# Altium PCB JTAG-批量下载V06.PcbDoc (part 10 of 13)
Units mil, origin at the board's own origin, x right, y up, seen from the top; angles counter-clockwise.
Board outline 6380 x 5290 mil, 2 copper layers (Top Layer, Bottom Layer); 190 components, 238 nets, 1050 pads, 459 vias.
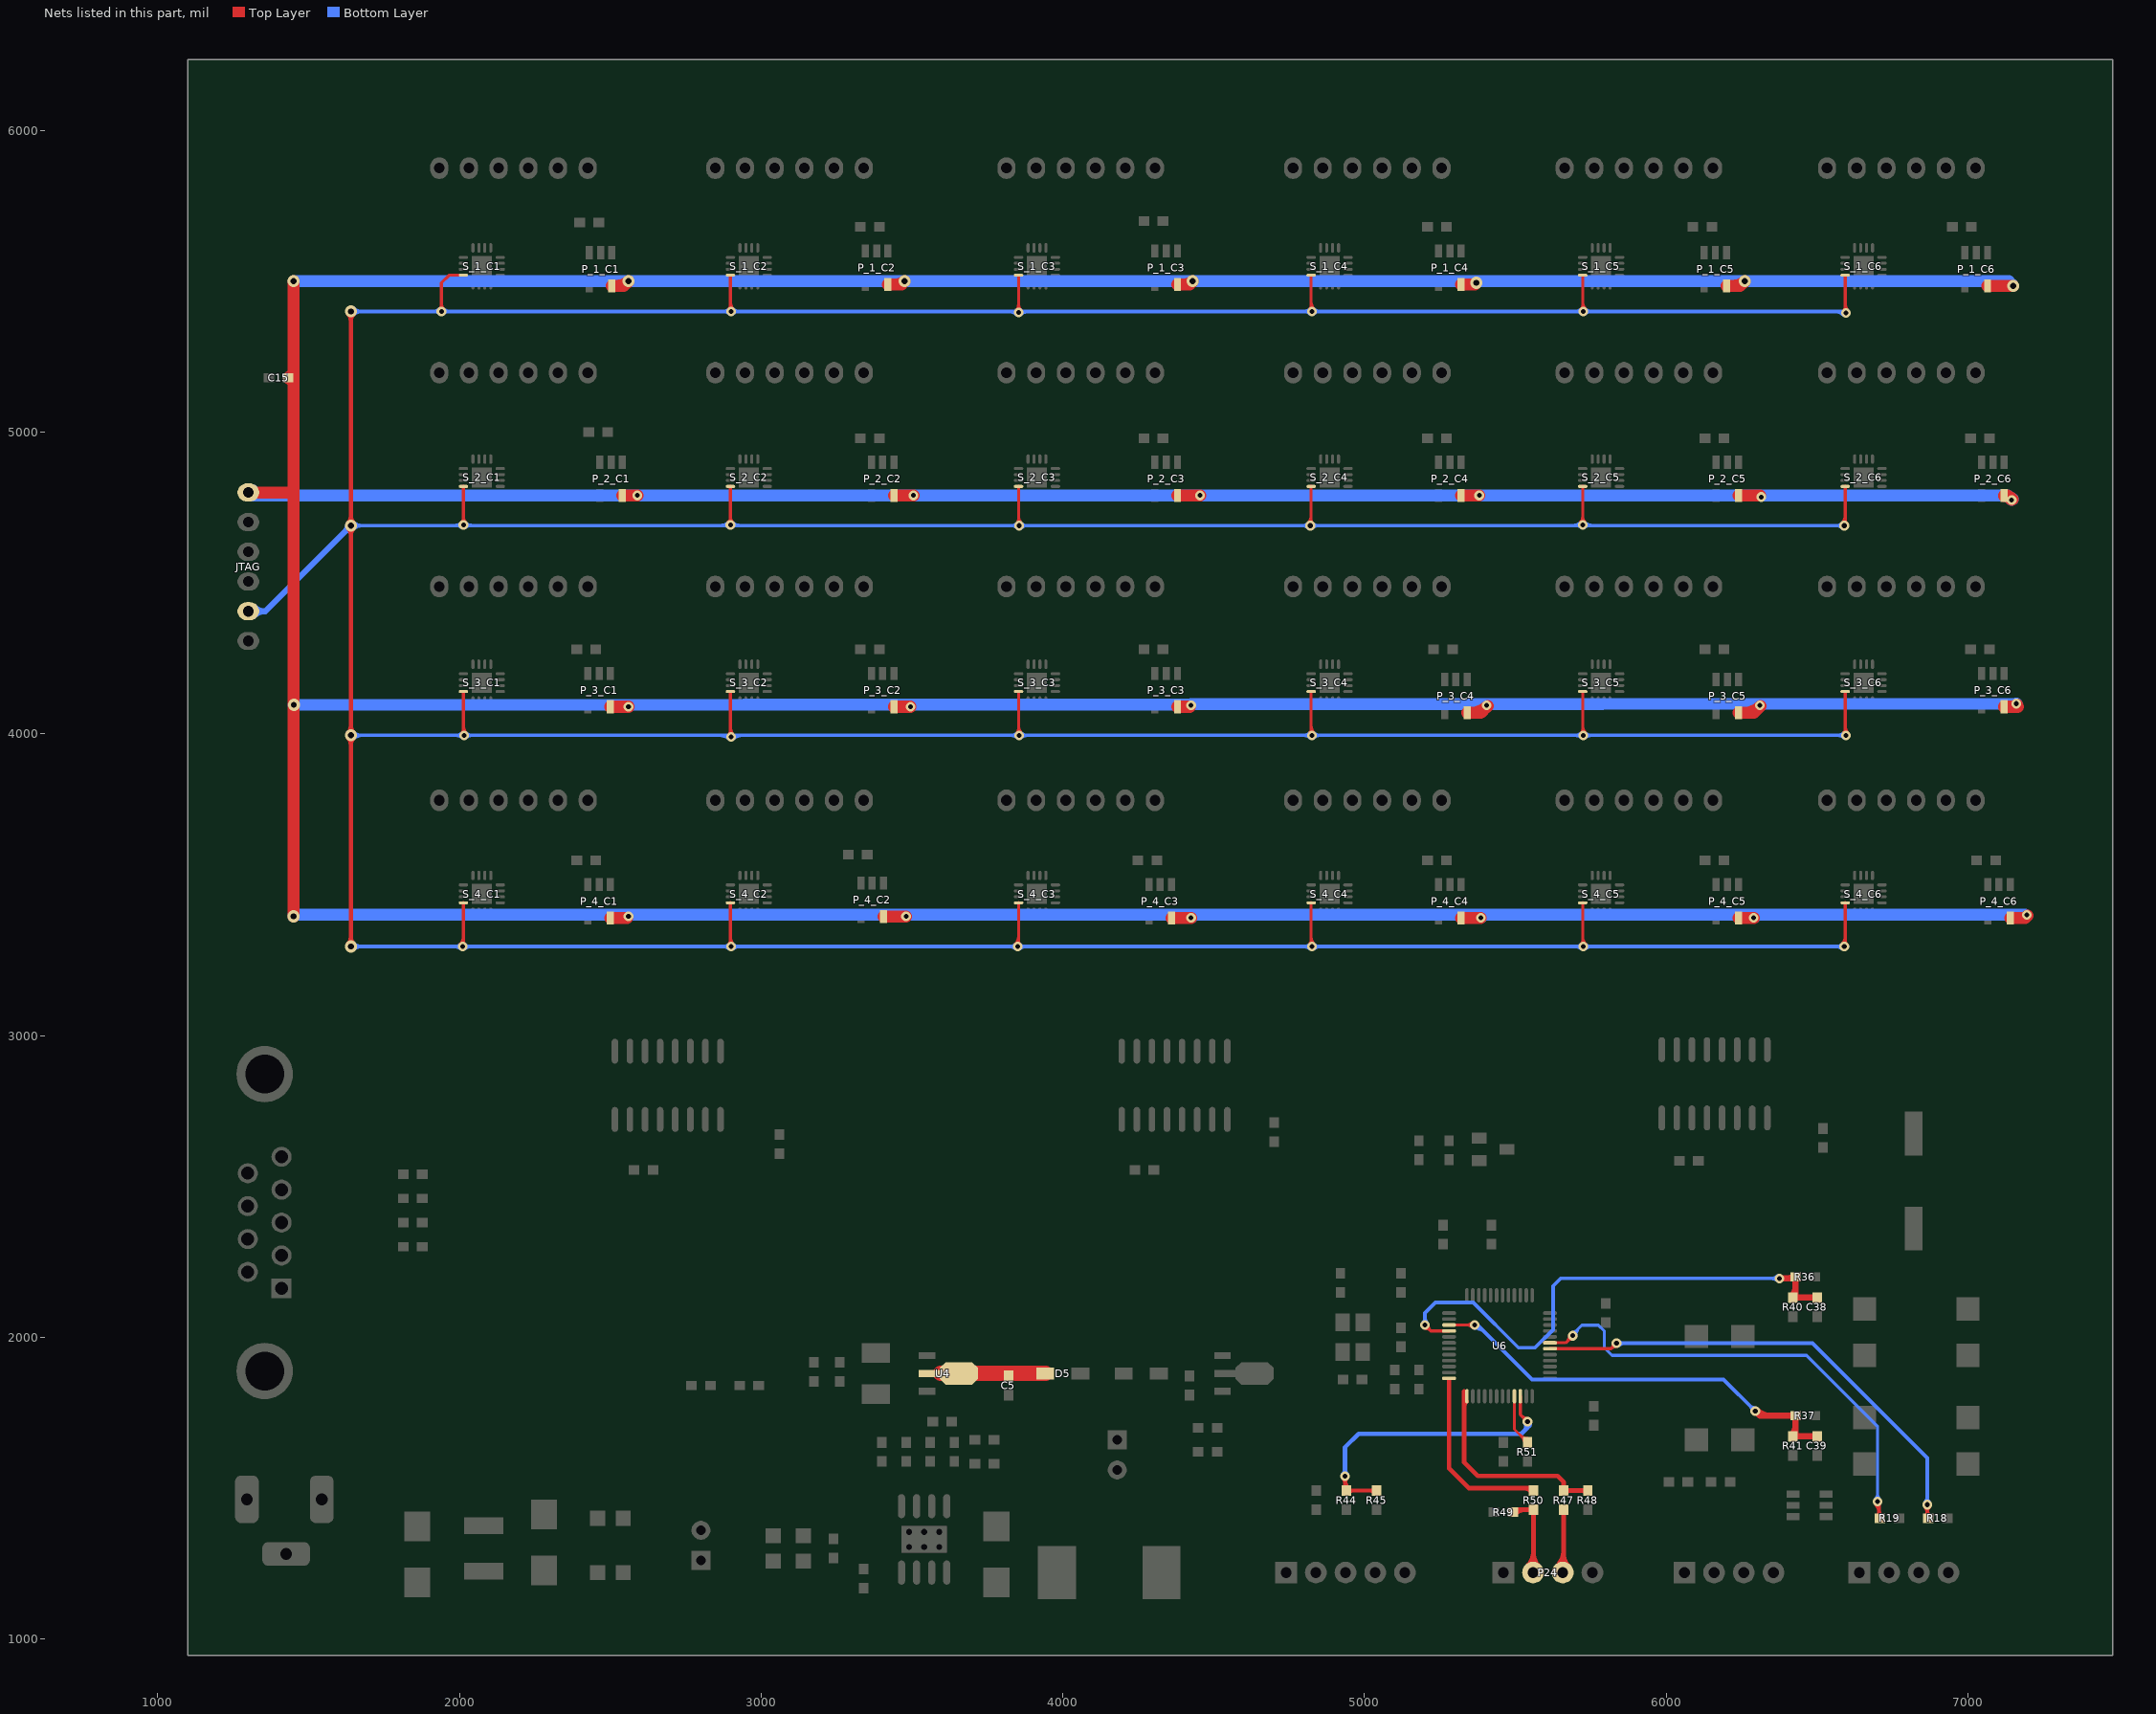
[diagram p10: the nets of this part, all layers, seen from the top]

## Via types
v1: diameter 32, hole 16, Top Layer to Bottom Layer, 347 vias
v2: diameter 50, hole 28, Top Layer to Bottom Layer, 63 vias
v3: diameter 40, hole 20, Top Layer to Bottom Layer, 49 vias

## Nets (pads, with @x,y where several pads share a name; then routed paths per layer and width w, separated by ;. In a path a pad name is that pad's centre, name@x,y a point inside that pad or via, vN(x,y) a via of type N, cw(c..) or ccw(c..) an arc to the next point about the centre after c; other vN are vias at no path point) (continued)
JTAG_TMS: JTAG.5 S_1_C1.12 S_1_C2.12 S_1_C3.12 S_1_C4.12 S_1_C5.12 S_1_C6.12 S_2_C1.12 S_2_C2.12 S_2_C3.12 S_2_C4.12 S_2_C5.12 S_2_C6.12 S_3_C1.12 S_3_C2.12 S_3_C3.12 S_3_C4.12 S_3_C5.12 S_3_C6.12 S_4_C1.12 S_4_C2.12 S_4_C3.12 S_4_C4.12 S_4_C5.12 S_4_C6.12 | length 34994.6
  Top Layer w10: v1(1940,5400) 1940,5495 1965,5520 S_1_C1.12@2012.95,5520 ; v1@2012.95,3297.95 S_4_C1.12@2012.95,3440 ; v1@2012.95,3997.05 S_3_C1.12@2012.95,4140 ; v1(2012.95,4692.05) S_2_C1.12@2012.95,4820 ; v1@2897.95,3297.05 S_4_C2.12@2897.95,3440 ; v1@2897.95,3992.05 S_3_C2.12@2897.95,4140 ; v1(2897.95,4692.95) S_2_C2.12@2897.95,4820 ; v1@2897.95,5402.05 S_1_C2.12@2897.95,5520 ; v1@3852.95,3297.95 S_4_C3.12@3852.95,3440 ; v1@3852.95,3997.95 S_3_C3.12@3852.95,4140 ; v1@3852.95,4692.05 S_2_C3.12@3852.95,4820 ; v1(3852.95,5397.05) S_1_C3.12@3852.95,5520 ; v1@4822.95,3297.05 S_4_C4.12@4822.95,3440 ; v1@4822.95,3997.05 S_3_C4.12@4822.95,4140 ; v1@4822.95,4692.95 S_2_C4.12@4822.95,4820 ; v1@4822.95,5402.05 S_1_C4.12@4822.95,5520 ; v1@5722.95,3297.05 S_4_C5.12@5722.95,3440 ; v1@5722.95,3992.95 S_3_C5.12@5722.95,4140 ; v1(5722.95,4692.95) S_2_C5.12@5722.95,4820 ; v1@5722.95,5402.05 S_1_C5.12@5722.95,5520 ; v1@6592.95,3297.95 S_4_C6.12@6592.95,3440 ; v1@6592.95,3997.95 S_3_C6.12@6592.95,4140 ; v1@6592.95,4692.95 S_2_C6.12@6592.95,4820 ; v1@6592.95,5402.05 S_1_C6.12@6592.95,5520 ; v1@1932.22,5407.78 ccw(c1913.44,5426.56) 1940,5426.56 ; v1@1932.22,5407.78 ccw(c1913.44,5426.56) 1940,5426.56 ; v1@1932.22,5407.78 ccw(c1913.44,5426.56) 1940,5426.56 ; 1940,5426.56 ccw(c1966.56,5426.56) v1@1947.78,5407.78 ; 1940,5426.56 ccw(c1966.56,5426.56) v1@1947.78,5407.78 ; 1940,5426.56 ccw(c1966.56,5426.56) v1@1947.78,5407.78 ; v1@2002.22,3302.78 ccw(c1976.32,3328.68) 2012.95,3328.68 ; v1@2002.22,3302.78 ccw(c1976.32,3328.68) 2012.95,3328.68 ; v1@2002.22,3302.78 ccw(c1976.32,3328.68) 2012.95,3328.68 ; v1@2005.17,4699.83 ccw(c1986.4,4718.6) 2012.95,4718.6 ; v1@2005.17,4699.83 ccw(c1986.4,4718.6) 2012.95,4718.6 ; v1@2005.17,4699.83 ccw(c1986.4,4718.6) 2012.95,4718.6 ; v1@2007.22,4002.78 ccw(c1993.39,4016.61) 2012.95,4016.61 ; v1@2007.22,4002.78 ccw(c1993.39,4016.61) 2012.95,4016.61 ; v1@2007.22,4002.78 ccw(c1993.39,4016.61) 2012.95,4016.61 ; 2012.95,3314.43 ccw(c2029.43,3314.43) v1@2017.78,3302.78 ; 2012.95,3314.43 ccw(c2029.43,3314.43) v1@2017.78,3302.78 ; 2012.95,3314.43 ccw(c2029.43,3314.43) v1@2017.78,3302.78 ; 2012.95,4026.5 ccw(c2046.5,4026.5) v1@2022.78,4002.78 ; 2012.95,4026.5 ccw(c2046.5,4026.5) v1@2022.78,4002.78 ; 2012.95,4026.5 ccw(c2046.5,4026.5) v1@2022.78,4002.78 ; 2012.95,4718.6 ccw(c2039.51,4718.6) v1@2020.73,4699.83 ; 2012.95,4718.6 ccw(c2039.51,4718.6) v1@2020.73,4699.83 ; 2012.95,4718.6 ccw(c2039.51,4718.6) v1@2020.73,4699.83 ; v1@2890.17,4700.73 ccw(c2871.4,4719.51) 2897.95,4719.51 ; v1@2890.17,4700.73 ccw(c2871.4,4719.51) 2897.95,4719.51 ; v1@2890.17,4700.73 ccw(c2871.4,4719.51) 2897.95,4719.51 ; v1@2892.22,3302.78 ccw(c2878.39,3316.61) 2897.95,3316.61 ; v1@2892.22,3302.78 ccw(c2878.39,3316.61) 2897.95,3316.61 ; v1@2892.22,3302.78 ccw(c2878.39,3316.61) 2897.95,3316.61 ; v1@2892.22,3997.78 ccw(c2878.39,4011.61) 2897.95,4011.61 ; v1@2892.22,3997.78 ccw(c2878.39,4011.61) 2897.95,4011.61 ; v1@2892.22,3997.78 ccw(c2878.39,4011.61) 2897.95,4011.61 ; v1@2892.22,5407.78 ccw(c2878.39,5421.61) 2897.95,5421.61 ; v1@2892.22,5407.78 ccw(c2878.39,5421.61) 2897.95,5421.61 ; v1@2892.22,5407.78 ccw(c2878.39,5421.61) 2897.95,5421.61 ; 2897.95,3326.5 ccw(c2931.5,3326.5) v1@2907.78,3302.78 ; 2897.95,3326.5 ccw(c2931.5,3326.5) v1@2907.78,3302.78 ; 2897.95,3326.5 ccw(c2931.5,3326.5) v1@2907.78,3302.78 ; 2897.95,4021.5 ccw(c2931.5,4021.5) v1@2907.78,3997.78 ; 2897.95,4021.5 ccw(c2931.5,4021.5) v1@2907.78,3997.78 ; 2897.95,4021.5 ccw(c2931.5,4021.5) v1@2907.78,3997.78 ; 2897.95,4719.51 ccw(c2924.51,4719.51) v1@2905.73,4700.73 ; 2897.95,4719.51 ccw(c2924.51,4719.51) v1@2905.73,4700.73 ; 2897.95,4719.51 ccw(c2924.51,4719.51) v1@2905.73,4700.73 ; 2897.95,5431.5 ccw(c2931.5,5431.5) v1@2907.78,5407.78 ; 2897.95,5431.5 ccw(c2931.5,5431.5) v1@2907.78,5407.78 ; 2897.95,5431.5 ccw(c2931.5,5431.5) v1@2907.78,5407.78 ; v1@3842.22,3302.78 ccw(c3816.32,3328.68) 3852.95,3328.68 ; v1@3842.22,3302.78 ccw(c3816.32,3328.68) 3852.95,3328.68 ; v1@3842.22,3302.78 ccw(c3816.32,3328.68) 3852.95,3328.68 ; v1@3845.17,5404.83 ccw(c3826.4,5423.6) 3852.95,5423.6 ; v1@3845.17,5404.83 ccw(c3826.4,5423.6) 3852.95,5423.6 ; v1@3845.17,5404.83 ccw(c3826.4,5423.6) 3852.95,5423.6 ; v1@3847.22,4002.78 ccw(c3833.39,4016.61) 3852.95,4016.61 ; v1@3847.22,4002.78 ccw(c3833.39,4016.61) 3852.95,4016.61 ; v1@3847.22,4002.78 ccw(c3833.39,4016.61) 3852.95,4016.61 ; v1@3847.22,4697.78 ccw(c3833.39,4711.61) 3852.95,4711.61 ; v1@3847.22,4697.78 ccw(c3833.39,4711.61) 3852.95,4711.61 ; v1@3847.22,4697.78 ccw(c3833.39,4711.61) 3852.95,4711.61 ; 3852.95,3314.43 ccw(c3869.43,3314.43) v1@3857.78,3302.78 ; 3852.95,3314.43 ccw(c3869.43,3314.43) v1@3857.78,3302.78 ; 3852.95,3314.43 ccw(c3869.43,3314.43) v1@3857.78,3302.78 ; 3852.95,4026.5 ccw(c3886.5,4026.5) v1@3862.78,4002.78 ; 3852.95,4026.5 ccw(c3886.5,4026.5) v1@3862.78,4002.78 ; 3852.95,4026.5 ccw(c3886.5,4026.5) v1@3862.78,4002.78 ; 3852.95,4721.5 ccw(c3886.5,4721.5) v1@3862.78,4697.78 ; 3852.95,4721.5 ccw(c3886.5,4721.5) v1@3862.78,4697.78 ; 3852.95,4721.5 ccw(c3886.5,4721.5) v1@3862.78,4697.78 ; 3852.95,5423.6 ccw(c3879.51,5423.6) v1@3860.73,5404.83 ; 3852.95,5423.6 ccw(c3879.51,5423.6) v1@3860.73,5404.83 ; 3852.95,5423.6 ccw(c3879.51,5423.6) v1@3860.73,5404.83 ; v1@4812.22,4697.78 ccw(c4786.31,4723.69) 4822.95,4723.69 ; v1@4812.22,4697.78 ccw(c4786.31,4723.69) 4822.95,4723.69 ; v1@4812.22,4697.78 ccw(c4786.31,4723.69) 4822.95,4723.69 ; v1@4817.22,3302.78 ccw(c4803.39,3316.61) 4822.95,3316.61 ; v1@4817.22,3302.78 ccw(c4803.39,3316.61) 4822.95,3316.61 ; v1@4817.22,3302.78 ccw(c4803.39,3316.61) 4822.95,3316.61 ; v1@4817.22,4002.78 ccw(c4803.39,4016.61) 4822.95,4016.61 ; v1@4817.22,4002.78 ccw(c4803.39,4016.61) 4822.95,4016.61 ; v1@4817.22,4002.78 ccw(c4803.39,4016.61) 4822.95,4016.61 ; v1@4817.22,5407.78 ccw(c4803.39,5421.61) 4822.95,5421.61 ; v1@4817.22,5407.78 ccw(c4803.39,5421.61) 4822.95,5421.61 ; v1@4817.22,5407.78 ccw(c4803.39,5421.61) 4822.95,5421.61 ; 4822.95,3326.5 ccw(c4856.5,3326.5) v1@4832.78,3302.78 ; 4822.95,3326.5 ccw(c4856.5,3326.5) v1@4832.78,3302.78 ; 4822.95,3326.5 ccw(c4856.5,3326.5) v1@4832.78,3302.78 ; 4822.95,4026.5 ccw(c4856.5,4026.5) v1@4832.78,4002.78 ; 4822.95,4026.5 ccw(c4856.5,4026.5) v1@4832.78,4002.78 ; 4822.95,4026.5 ccw(c4856.5,4026.5) v1@4832.78,4002.78 ; 4822.95,4709.43 ccw(c4839.43,4709.43) v1@4827.78,4697.78 ; 4822.95,4709.43 ccw(c4839.43,4709.43) v1@4827.78,4697.78 ; 4822.95,4709.43 ccw(c4839.43,4709.43) v1@4827.78,4697.78 ; 4822.95,5431.5 ccw(c4856.5,5431.5) v1@4832.78,5407.78 ; 4822.95,5431.5 ccw(c4856.5,5431.5) v1@4832.78,5407.78 ; 4822.95,5431.5 ccw(c4856.5,5431.5) v1@4832.78,5407.78 ; v1@5715.17,4700.73 ccw(c5696.4,4719.51) 5722.95,4719.51 ; v1@5715.17,4700.73 ccw(c5696.4,4719.51) 5722.95,4719.51 ; v1@5715.17,4700.73 ccw(c5696.4,4719.51) 5722.95,4719.51 ; v1@5717.22,3302.78 ccw(c5703.39,3316.61) 5722.95,3316.61 ; v1@5717.22,3302.78 ccw(c5703.39,3316.61) 5722.95,3316.61 ; v1@5717.22,3302.78 ccw(c5703.39,3316.61) 5722.95,3316.61 ; v1@5717.22,4002.78 ccw(c5703.39,4016.61) 5722.95,4016.61 ; v1@5717.22,4002.78 ccw(c5703.39,4016.61) 5722.95,4016.61 ; v1@5717.22,4002.78 ccw(c5703.39,4016.61) 5722.95,4016.61 ; v1@5717.22,5407.78 ccw(c5703.39,5421.61) 5722.95,5421.61 ; v1@5717.22,5407.78 ccw(c5703.39,5421.61) 5722.95,5421.61 ; v1@5717.22,5407.78 ccw(c5703.39,5421.61) 5722.95,5421.61 ; 5722.95,3326.5 ccw(c5756.5,3326.5) v1@5732.78,3302.78 ; 5722.95,3326.5 ccw(c5756.5,3326.5) v1@5732.78,3302.78 ; 5722.95,3326.5 ccw(c5756.5,3326.5) v1@5732.78,3302.78 ; 5722.95,4026.5 ccw(c5756.5,4026.5) v1@5732.78,4002.78 ; 5722.95,4026.5 ccw(c5756.5,4026.5) v1@5732.78,4002.78 ; 5722.95,4026.5 ccw(c5756.5,4026.5) v1@5732.78,4002.78 ; 5722.95,4719.51 ccw(c5749.51,4719.51) v1@5730.73,4700.73 ; 5722.95,4719.51 ccw(c5749.51,4719.51) v1@5730.73,4700.73 ; 5722.95,4719.51 ccw(c5749.51,4719.51) v1@5730.73,4700.73 ; 5722.95,5431.5 ccw(c5756.5,5431.5) v1@5732.78,5407.78 ; 5722.95,5431.5 ccw(c5756.5,5431.5) v1@5732.78,5407.78 ; 5722.95,5431.5 ccw(c5756.5,5431.5) v1@5732.78,5407.78 ; v1@6582.22,3302.78 ccw(c6556.31,3328.68) 6592.95,3328.68 ; v1@6582.22,3302.78 ccw(c6556.31,3328.68) 6592.95,3328.68 ; v1@6582.22,3302.78 ccw(c6556.31,3328.68) 6592.95,3328.68 ; v1@6582.22,4697.78 ccw(c6556.31,4723.69) 6592.95,4723.69 ; v1@6582.22,4697.78 ccw(c6556.31,4723.69) 6592.95,4723.69 ; v1@6582.22,4697.78 ccw(c6556.31,4723.69) 6592.95,4723.69 ; v1@6587.22,4002.78 ccw(c6573.39,4016.61) 6592.95,4016.61 ; v1@6587.22,4002.78 ccw(c6573.39,4016.61) 6592.95,4016.61 ; v1@6587.22,4002.78 ccw(c6573.39,4016.61) 6592.95,4016.61 ; v1@6587.22,5402.78 ccw(c6573.39,5416.61) 6592.95,5416.61 ; v1@6587.22,5402.78 ccw(c6573.39,5416.61) 6592.95,5416.61 ; v1@6587.22,5402.78 ccw(c6573.39,5416.61) 6592.95,5416.61 ; 6592.95,3314.43 ccw(c6609.43,3314.43) v1@6597.78,3302.78 ; 6592.95,3314.43 ccw(c6609.43,3314.43) v1@6597.78,3302.78 ; 6592.95,3314.43 ccw(c6609.43,3314.43) v1@6597.78,3302.78 ; 6592.95,4026.5 ccw(c6626.5,4026.5) v1@6602.78,4002.78 ; 6592.95,4026.5 ccw(c6626.5,4026.5) v1@6602.78,4002.78 ; 6592.95,4026.5 ccw(c6626.5,4026.5) v1@6602.78,4002.78 ; 6592.95,4709.43 ccw(c6609.43,4709.43) v1@6597.78,4697.78 ; 6592.95,4709.43 ccw(c6609.43,4709.43) v1@6597.78,4697.78 ; 6592.95,4709.43 ccw(c6609.43,4709.43) v1@6597.78,4697.78 ; 6592.95,5426.5 ccw(c6626.5,5426.5) v1@6602.78,5402.78 ; 6592.95,5426.5 ccw(c6626.5,5426.5) v1@6602.78,5402.78 ; 6592.95,5426.5 ccw(c6626.5,5426.5) v1@6602.78,5402.78
  Top Layer w15: v3@1640,3290 v3(1640,5400) ; v3@1631.16,3303.84 ccw(c1609.82,3325.18) 1640,3325.18 ; v3@1631.16,3303.84 ccw(c1609.82,3325.18) 1640,3325.18 ; v3@1631.16,3303.84 ccw(c1609.82,3325.18) 1640,3325.18 ; v3@1631.16,3986.16 cw(c1609.82,3964.82) 1640,3964.82 ; v3@1631.16,3986.16 cw(c1609.82,3964.82) 1640,3964.82 ; v3@1631.16,3986.16 cw(c1609.82,3964.82) 1640,3964.82 ; v3@1631.16,4003.84 ccw(c1609.82,4025.18) 1640,4025.18 ; v3@1631.16,4003.84 ccw(c1609.82,4025.18) 1640,4025.18 ; v3@1631.16,4003.84 ccw(c1609.82,4025.18) 1640,4025.18 ; v3@1631.16,4681.16 cw(c1609.82,4659.82) 1640,4659.82 ; v3@1631.16,4681.16 cw(c1609.82,4659.82) 1640,4659.82 ; v3@1631.16,4681.16 cw(c1609.82,4659.82) 1640,4659.82 ; v3@1631.16,4698.84 ccw(c1609.82,4720.18) 1640,4720.18 ; v3@1631.16,4698.84 ccw(c1609.82,4720.18) 1640,4720.18 ; v3@1631.16,4698.84 ccw(c1609.82,4720.18) 1640,4720.18 ; v3@1631.16,5391.16 cw(c1609.82,5369.82) 1640,5369.82 ; v3@1631.16,5391.16 cw(c1609.82,5369.82) 1640,5369.82 ; v3@1631.16,5391.16 cw(c1609.82,5369.82) 1640,5369.82 ; 1640,3325.18 ccw(c1670.18,3325.18) v3@1648.84,3303.84 ; 1640,3325.18 ccw(c1670.18,3325.18) v3@1648.84,3303.84 ; 1640,3325.18 ccw(c1670.18,3325.18) v3@1648.84,3303.84 ; 1640,3964.82 cw(c1670.18,3964.82) v3@1648.84,3986.16 ; 1640,3964.82 cw(c1670.18,3964.82) v3@1648.84,3986.16 ; 1640,3964.82 cw(c1670.18,3964.82) v3@1648.84,3986.16 ; 1640,4025.18 ccw(c1670.18,4025.18) v3@1648.84,4003.84 ; 1640,4025.18 ccw(c1670.18,4025.18) v3@1648.84,4003.84 ; 1640,4025.18 ccw(c1670.18,4025.18) v3@1648.84,4003.84 ; 1640,4659.82 cw(c1670.18,4659.82) v3@1648.84,4681.16 ; 1640,4659.82 cw(c1670.18,4659.82) v3@1648.84,4681.16 ; 1640,4659.82 cw(c1670.18,4659.82) v3@1648.84,4681.16 ; 1640,4720.18 ccw(c1670.18,4720.18) v3@1648.84,4698.84 ; 1640,4720.18 ccw(c1670.18,4720.18) v3@1648.84,4698.84 ; 1640,4720.18 ccw(c1670.18,4720.18) v3@1648.84,4698.84 ; 1640,5369.82 cw(c1670.18,5369.82) v3@1648.84,5391.16 ; 1640,5369.82 cw(c1670.18,5369.82) v3@1648.84,5391.16 ; 1640,5369.82 cw(c1670.18,5369.82) v3@1648.84,5391.16
  Bottom Layer w12: JTAG.5@1300,4406.3 JTAG.5@1303.7,4410 ; v3(1640,3295) v1@6600,3295 ; v3(1640,3995) v1@6600,3995 ; v3(1640,4690) v1@6595,4690 ; v3(1640,5400) v1@6600,5400 ; 1673.8,3295 ccw(c1673.8,3261.2) 1649.9,3285.1 cw(c1673.8,3261.2) 1673.8,3295 ; 1673.8,3295 cw(c1673.8,3328.8) 1649.9,3304.9 ccw(c1673.8,3328.8) 1673.8,3295 ; 1673.8,3995 ccw(c1673.8,3961.2) 1649.9,3985.1 cw(c1673.8,3961.2) 1673.8,3995 ; 1673.8,3995 cw(c1673.8,4028.8) 1649.9,4004.9 ccw(c1673.8,4028.8) 1673.8,3995 ; 1673.8,4690 ccw(c1673.8,4656.2) 1649.9,4680.1 cw(c1673.8,4656.2) 1673.8,4690 ; 1673.8,4690 cw(c1673.8,4723.8) 1649.9,4699.9 ccw(c1673.8,4723.8) 1673.8,4690 ; 1673.8,5400 ccw(c1673.8,5366.2) 1649.9,5390.1 cw(c1673.8,5366.2) 1673.8,5400 ; 1673.8,5400 cw(c1673.8,5433.8) 1649.9,5409.9 ccw(c1673.8,5433.8) 1673.8,5400 ; 1915.86,5400 ccw(c1915.86,5424.14) v1@1932.93,5407.07 ; 1915.86,5400 cw(c1915.86,5375.86) v1@1932.93,5392.93 ; 1915.86,5400 ccw(c1915.86,5424.14) v1@1932.93,5407.07 ; 1915.86,5400 cw(c1915.86,5375.86) v1@1932.93,5392.93 ; 1915.86,5400 ccw(c1915.86,5424.14) v1@1932.93,5407.07 ; 1915.86,5400 cw(c1915.86,5375.86) v1@1932.93,5392.93 ; v1@1947.07,5392.93 cw(c1964.14,5375.86) 1964.14,5400 ; v1@1947.07,5392.93 cw(c1964.14,5375.86) 1964.14,5400 ; v1@1947.07,5392.93 cw(c1964.14,5375.86) 1964.14,5400 ; v1@1947.07,5407.07 ccw(c1964.14,5424.14) 1964.14,5400 ; v1@1947.07,5407.07 ccw(c1964.14,5424.14) 1964.14,5400 ; v1@1947.07,5407.07 ccw(c1964.14,5424.14) 1964.14,5400 ; 1983.87,4690 ccw(c1983.87,4721.13) v1@2005.88,4699.12 ; 1983.87,4690 ccw(c1983.87,4721.13) v1@2005.88,4699.12 ; 1983.87,4690 ccw(c1983.87,4721.13) v1@2005.88,4699.12 ; 1985.86,3295 ccw(c1985.86,3319.14) v1@2002.93,3302.07 ; 1985.86,3295 cw(c1985.86,3270.86) v1@2002.93,3287.93 ; 1985.86,3295 ccw(c1985.86,3319.14) v1@2002.93,3302.07 ; 1985.86,3295 cw(c1985.86,3270.86) v1@2002.93,3287.93 ; 1985.86,3295 ccw(c1985.86,3319.14) v1@2002.93,3302.07 ; 1985.86,3295 cw(c1985.86,3270.86) v1@2002.93,3287.93 ; 1990.86,3995 ccw(c1990.86,4019.14) v1@2007.93,4002.07 ; 1990.86,3995 cw(c1990.86,3970.86) v1@2007.93,3987.93 ; 1990.86,3995 ccw(c1990.86,4019.14) v1@2007.93,4002.07 ; 1990.86,3995 cw(c1990.86,3970.86) v1@2007.93,3987.93 ; 1990.86,3995 ccw(c1990.86,4019.14) v1@2007.93,4002.07 ; 1990.86,3995 cw(c1990.86,3970.86) v1@2007.93,3987.93 ; 1993.75,4690 cw(c1993.75,4672.85) v1@2005.88,4684.98 ; 1993.75,4690 cw(c1993.75,4672.85) v1@2005.88,4684.98 ; 1993.75,4690 cw(c1993.75,4672.85) v1@2005.88,4684.98 ; v1@2017.07,3287.93 cw(c2034.14,3270.86) 2034.14,3295 ; v1@2017.07,3287.93 cw(c2034.14,3270.86) 2034.14,3295 ; v1@2017.07,3287.93 cw(c2034.14,3270.86) 2034.14,3295 ; v1@2017.07,3302.07 ccw(c2034.14,3319.14) 2034.14,3295 ; v1@2017.07,3302.07 ccw(c2034.14,3319.14) 2034.14,3295 ; v1@2017.07,3302.07 ccw(c2034.14,3319.14) 2034.14,3295 ; v1@2020.02,4684.98 cw(c2032.15,4672.85) 2032.15,4690 ; v1@2020.02,4684.98 cw(c2032.15,4672.85) 2032.15,4690 ; v1@2020.02,4684.98 cw(c2032.15,4672.85) 2032.15,4690 ; v1@2020.02,4699.12 ccw(c2042.04,4721.13) 2042.04,4690 ; v1@2020.02,4699.12 ccw(c2042.04,4721.13) 2042.04,4690 ; v1@2020.02,4699.12 ccw(c2042.04,4721.13) 2042.04,4690 ; v1@2022.07,3987.93 cw(c2039.14,3970.86) 2039.14,3995 ; v1@2022.07,3987.93 cw(c2039.14,3970.86) 2039.14,3995 ; v1@2022.07,3987.93 cw(c2039.14,3970.86) 2039.14,3995 ; v1@2022.07,4002.07 ccw(c2039.14,4019.14) 2039.14,3995 ; v1@2022.07,4002.07 ccw(c2039.14,4019.14) 2039.14,3995 ; v1@2022.07,4002.07 ccw(c2039.14,4019.14) 2039.14,3995 ; 2866.68,4690 ccw(c2866.68,4724.22) v1@2890.88,4700.02 ; 2866.68,4690 ccw(c2866.68,4724.22) v1@2890.88,4700.02 ; 2866.68,4690 ccw(c2866.68,4724.22) v1@2890.88,4700.02 ; 2875.86,3295 ccw(c2875.86,3319.14) v1@2892.93,3302.07 ; 2875.86,3295 cw(c2875.86,3270.86) v1@2892.93,3287.93 ; 2875.86,3295 ccw(c2875.86,3319.14) v1@2892.93,3302.07 ; 2875.86,3295 cw(c2875.86,3270.86) v1@2892.93,3287.93 ; 2875.86,3295 ccw(c2875.86,3319.14) v1@2892.93,3302.07 ; 2875.86,3295 cw(c2875.86,3270.86) v1@2892.93,3287.93 ; 2875.86,5400 ccw(c2875.86,5424.14) v1@2892.93,5407.07 ; 2875.86,5400 cw(c2875.86,5375.86) v1@2892.93,5392.93 ; 2875.86,5400 ccw(c2875.86,5424.14) v1@2892.93,5407.07 ; 2875.86,5400 cw(c2875.86,5375.86) v1@2892.93,5392.93 ; 2875.86,5400 ccw(c2875.86,5424.14) v1@2892.93,5407.07 ; 2875.86,5400 cw(c2875.86,5375.86) v1@2892.93,5392.93 ; 2880.94,4690 cw(c2880.94,4675.94) v1@2890.88,4685.88 ; 2880.94,4690 cw(c2880.94,4675.94) v1@2890.88,4685.88 ; 2880.94,4690 cw(c2880.94,4675.94) v1@2890.88,4685.88 ; v1@2905.02,4685.88 cw(c2914.97,4675.94) 2914.97,4690 ; v1@2905.02,4685.88 cw(c2914.97,4675.94) 2914.97,4690 ; v1@2905.02,4685.88 cw(c2914.97,4675.94) 2914.97,4690 ; v1@2905.02,4700.02 ccw(c2929.22,4724.22) 2929.22,4690 ; v1@2905.02,4700.02 ccw(c2929.22,4724.22) 2929.22,4690 ; v1@2905.02,4700.02 ccw(c2929.22,4724.22) 2929.22,4690 ; v1@2907.07,3287.93 cw(c2924.14,3270.86) 2924.14,3295 ; v1@2907.07,3287.93 cw(c2924.14,3270.86) 2924.14,3295 ; v1@2907.07,3287.93 cw(c2924.14,3270.86) 2924.14,3295 ; v1@2907.07,3302.07 ccw(c2924.14,3319.14) 2924.14,3295 ; v1@2907.07,3302.07 ccw(c2924.14,3319.14) 2924.14,3295 ; v1@2907.07,3302.07 ccw(c2924.14,3319.14) 2924.14,3295 ; v1@2907.07,5392.93 cw(c2924.14,5375.86) 2924.14,5400 ; v1@2907.07,5392.93 cw(c2924.14,5375.86) 2924.14,5400 ; v1@2907.07,5392.93 cw(c2924.14,5375.86) 2924.14,5400 ; v1@2907.07,5407.07 ccw(c2924.14,5424.14) 2924.14,5400 ; v1@2907.07,5407.07 ccw(c2924.14,5424.14) 2924.14,5400 ; v1@2907.07,5407.07 ccw(c2924.14,5424.14) 2924.14,5400 ; 3825.86,3295 ccw(c3825.86,3319.14) v1@3842.93,3302.07 ; 3825.86,3295 cw(c3825.86,3270.86) v1@3842.93,3287.93 ; 3825.86,3295 ccw(c3825.86,3319.14) v1@3842.93,3302.07 ; 3825.86,3295 cw(c3825.86,3270.86) v1@3842.93,3287.93 ; 3825.86,3295 ccw(c3825.86,3319.14) v1@3842.93,3302.07 ; 3825.86,3295 cw(c3825.86,3270.86) v1@3842.93,3287.93 ; 3830.86,3995 ccw(c3830.86,4019.14) v1@3847.93,4002.07 ; 3830.86,3995 cw(c3830.86,3970.86) v1@3847.93,3987.93 ; 3830.86,3995 ccw(c3830.86,4019.14) v1@3847.93,4002.07 ; 3830.86,3995 cw(c3830.86,3970.86) v1@3847.93,3987.93 ; 3830.86,3995 ccw(c3830.86,4019.14) v1@3847.93,4002.07 ; 3830.86,3995 cw(c3830.86,3970.86) v1@3847.93,3987.93 ; 3830.86,4690 ccw(c3830.86,4714.14) v1@3847.93,4697.07 ; 3830.86,4690 cw(c3830.86,4665.86) v1@3847.93,4682.93 ; 3830.86,4690 ccw(c3830.86,4714.14) v1@3847.93,4697.07 ; 3830.86,4690 cw(c3830.86,4665.86) v1@3847.93,4682.93 ; 3830.86,4690 ccw(c3830.86,4714.14) v1@3847.93,4697.07 ; 3830.86,4690 cw(c3830.86,4665.86) v1@3847.93,4682.93 ; v1@3857.07,3287.93 cw(c3874.14,3270.86) 3874.14,3295 ; v1@3857.07,3287.93 cw(c3874.14,3270.86) 3874.14,3295 ; v1@3857.07,3287.93 cw(c3874.14,3270.86) 3874.14,3295 ; v1@3857.07,3302.07 ccw(c3874.14,3319.14) 3874.14,3295 ; v1@3857.07,3302.07 ccw(c3874.14,3319.14) 3874.14,3295 ; v1@3857.07,3302.07 ccw(c3874.14,3319.14) 3874.14,3295 ; v1@3862.07,3987.93 cw(c3879.14,3970.86) 3879.14,3995 ; v1@3862.07,3987.93 cw(c3879.14,3970.86) 3879.14,3995 ; v1@3862.07,3987.93 cw(c3879.14,3970.86) 3879.14,3995 ; v1@3862.07,4002.07 ccw(c3879.14,4019.14) 3879.14,3995 ; v1@3862.07,4002.07 ccw(c3879.14,4019.14) 3879.14,3995 ; v1@3862.07,4002.07 ccw(c3879.14,4019.14) 3879.14,3995 ; v1@3862.07,4682.93 cw(c3879.14,4665.86) 3879.14,4690 ; v1@3862.07,4682.93 cw(c3879.14,4665.86) 3879.14,4690 ; v1@3862.07,4682.93 cw(c3879.14,4665.86) 3879.14,4690 ; v1@3862.07,4697.07 ccw(c3879.14,4714.14) 3879.14,4690 ; v1@3862.07,4697.07 ccw(c3879.14,4714.14) 3879.14,4690 ; v1@3862.07,4697.07 ccw(c3879.14,4714.14) 3879.14,4690 ; 4795.86,4690 ccw(c4795.86,4714.14) v1@4812.93,4697.07 ; 4795.86,4690 cw(c4795.86,4665.86) v1@4812.93,4682.93 ; 4795.86,4690 ccw(c4795.86,4714.14) v1@4812.93,4697.07 ; 4795.86,4690 cw(c4795.86,4665.86) v1@4812.93,4682.93 ; 4795.86,4690 ccw(c4795.86,4714.14) v1@4812.93,4697.07 ; 4795.86,4690 cw(c4795.86,4665.86) v1@4812.93,4682.93 ; 4800.86,3295 ccw(c4800.86,3319.14) v1@4817.93,3302.07 ; 4800.86,3295 cw(c4800.86,3270.86) v1@4817.93,3287.93 ; 4800.86,3295 ccw(c4800.86,3319.14) v1@4817.93,3302.07 ; 4800.86,3295 cw(c4800.86,3270.86) v1@4817.93,3287.93 ; 4800.86,3295 ccw(c4800.86,3319.14) v1@4817.93,3302.07 ; 4800.86,3295 cw(c4800.86,3270.86) v1@4817.93,3287.93 ; 4800.86,3995 ccw(c4800.86,4019.14) v1@4817.93,4002.07 ; 4800.86,3995 cw(c4800.86,3970.86) v1@4817.93,3987.93 ; 4800.86,3995 ccw(c4800.86,4019.14) v1@4817.93,4002.07 ; 4800.86,3995 cw(c4800.86,3970.86) v1@4817.93,3987.93 ; 4800.86,3995 ccw(c4800.86,4019.14) v1@4817.93,4002.07 ; 4800.86,3995 cw(c4800.86,3970.86) v1@4817.93,3987.93 ; 4800.86,5400 ccw(c4800.86,5424.14) v1@4817.93,5407.07 ; 4800.86,5400 cw(c4800.86,5375.86) v1@4817.93,5392.93 ; 4800.86,5400 ccw(c4800.86,5424.14) v1@4817.93,5407.07 ; 4800.86,5400 cw(c4800.86,5375.86) v1@4817.93,5392.93 ; 4800.86,5400 ccw(c4800.86,5424.14) v1@4817.93,5407.07 ; 4800.86,5400 cw(c4800.86,5375.86) v1@4817.93,5392.93 ; v1@4827.07,4682.93 cw(c4844.14,4665.86) 4844.14,4690 ; v1@4827.07,4682.93 cw(c4844.14,4665.86) 4844.14,4690 ; v1@4827.07,4682.93 cw(c4844.14,4665.86) 4844.14,4690 ; v1@4827.07,4697.07 ccw(c4844.14,4714.14) 4844.14,4690 ; v1@4827.07,4697.07 ccw(c4844.14,4714.14) 4844.14,4690 ; v1@4827.07,4697.07 ccw(c4844.14,4714.14) 4844.14,4690 ; v1@4832.07,3287.93 cw(c4849.14,3270.86) 4849.14,3295 ; v1@4832.07,3287.93 cw(c4849.14,3270.86) 4849.14,3295 ; v1@4832.07,3287.93 cw(c4849.14,3270.86) 4849.14,3295 ; v1@4832.07,3302.07 ccw(c4849.14,3319.14) 4849.14,3295 ; v1@4832.07,3302.07 ccw(c4849.14,3319.14) 4849.14,3295 ; v1@4832.07,3302.07 ccw(c4849.14,3319.14) 4849.14,3295 ; v1@4832.07,3987.93 cw(c4849.14,3970.86) 4849.14,3995 ; v1@4832.07,3987.93 cw(c4849.14,3970.86) 4849.14,3995 ; v1@4832.07,3987.93 cw(c4849.14,3970.86) 4849.14,3995 ; v1@4832.07,4002.07 ccw(c4849.14,4019.14) 4849.14,3995 ; v1@4832.07,4002.07 ccw(c4849.14,4019.14) 4849.14,3995 ; v1@4832.07,4002.07 ccw(c4849.14,4019.14) 4849.14,3995 ; v1@4832.07,5392.93 cw(c4849.14,5375.86) 4849.14,5400 ; v1@4832.07,5392.93 cw(c4849.14,5375.86) 4849.14,5400 ; v1@4832.07,5392.93 cw(c4849.14,5375.86) 4849.14,5400 ; v1@4832.07,5407.07 ccw(c4849.14,5424.14) 4849.14,5400 ; v1@4832.07,5407.07 ccw(c4849.14,5424.14) 4849.14,5400 ; v1@4832.07,5407.07 ccw(c4849.14,5424.14) 4849.14,5400 ; 5691.68,4690 ccw(c5691.68,4724.22) v1@5715.88,4700.02 ; 5691.68,4690 ccw(c5691.68,4724.22) v1@5715.88,4700.02 ; 5691.68,4690 ccw(c5691.68,4724.22) v1@5715.88,4700.02 ; 5700.86,3295 ccw(c5700.86,3319.14) v1@5717.93,3302.07 ; 5700.86,3295 cw(c5700.86,3270.86) v1@5717.93,3287.93 ; 5700.86,3295 ccw(c5700.86,3319.14) v1@5717.93,3302.07 ; 5700.86,3295 cw(c5700.86,3270.86) v1@5717.93,3287.93 ; 5700.86,3295 ccw(c5700.86,3319.14) v1@5717.93,3302.07 ; 5700.86,3295 cw(c5700.86,3270.86) v1@5717.93,3287.93 ; 5700.86,3995 ccw(c5700.86,4019.14) v1@5717.93,4002.07 ; 5700.86,3995 cw(c5700.86,3970.86) v1@5717.93,3987.93 ; 5700.86,3995 ccw(c5700.86,4019.14) v1@5717.93,4002.07 ; 5700.86,3995 cw(c5700.86,3970.86) v1@5717.93,3987.93 ; 5700.86,3995 ccw(c5700.86,4019.14) v1@5717.93,4002.07 ; 5700.86,3995 cw(c5700.86,3970.86) v1@5717.93,3987.93 ; 5700.86,5400 ccw(c5700.86,5424.14) v1@5717.93,5407.07 ; 5700.86,5400 cw(c5700.86,5375.86) v1@5717.93,5392.93 ; 5700.86,5400 ccw(c5700.86,5424.14) v1@5717.93,5407.07 ; 5700.86,5400 cw(c5700.86,5375.86) v1@5717.93,5392.93 ; 5700.86,5400 ccw(c5700.86,5424.14) v1@5717.93,5407.07 ; 5700.86,5400 cw(c5700.86,5375.86) v1@5717.93,5392.93 ; 5705.94,4690 cw(c5705.94,4675.94) v1@5715.88,4685.88 ; 5705.94,4690 cw(c5705.94,4675.94) v1@5715.88,4685.88 ; 5705.94,4690 cw(c5705.94,4675.94) v1@5715.88,4685.88 ; v1@5730.02,4685.88 cw(c5739.97,4675.94) 5739.97,4690 ; v1@5730.02,4685.88 cw(c5739.97,4675.94) 5739.97,4690 ; v1@5730.02,4685.88 cw(c5739.97,4675.94) 5739.97,4690 ; v1@5730.02,4700.02 ccw(c5754.22,4724.22) 5754.22,4690 ; v1@5730.02,4700.02 ccw(c5754.22,4724.22) 5754.22,4690 ; v1@5730.02,4700.02 ccw(c5754.22,4724.22) 5754.22,4690 ; v1@5732.07,3287.93 cw(c5749.14,3270.86) 5749.14,3295 ; v1@5732.07,3287.93 cw(c5749.14,3270.86) 5749.14,3295 ; v1@5732.07,3287.93 cw(c5749.14,3270.86) 5749.14,3295 ; v1@5732.07,3302.07 ccw(c5749.14,3319.14) 5749.14,3295 ; v1@5732.07,3302.07 ccw(c5749.14,3319.14) 5749.14,3295 ; v1@5732.07,3302.07 ccw(c5749.14,3319.14) 5749.14,3295 ; v1@5732.07,3987.93 cw(c5749.14,3970.86) 5749.14,3995 ; v1@5732.07,3987.93 cw(c5749.14,3970.86) 5749.14,3995 ; v1@5732.07,3987.93 cw(c5749.14,3970.86) 5749.14,3995 ; v1@5732.07,4002.07 ccw(c5749.14,4019.14) 5749.14,3995 ; v1@5732.07,4002.07 ccw(c5749.14,4019.14) 5749.14,3995 ; v1@5732.07,4002.07 ccw(c5749.14,4019.14) 5749.14,3995 ; v1@5732.07,5392.93 cw(c5749.14,5375.86) 5749.14,5400 ; v1@5732.07,5392.93 cw(c5749.14,5375.86) 5749.14,5400 ; v1@5732.07,5392.93 cw(c5749.14,5375.86) 5749.14,5400 ; v1@5732.07,5407.07 ccw(c5749.14,5424.14) 5749.14,5400 ; v1@5732.07,5407.07 ccw(c5749.14,5424.14) 5749.14,5400 ; v1@5732.07,5407.07 ccw(c5749.14,5424.14) 5749.14,5400 ; 6565.86,3295 ccw(c6565.86,3319.14) v1@6582.93,3302.07 ; 6565.86,3295 cw(c6565.86,3270.86) v1@6582.93,3287.93 ; 6565.86,3295 ccw(c6565.86,3319.14) v1@6582.93,3302.07 ; 6565.86,3295 cw(c6565.86,3270.86) v1@6582.93,3287.93 ; 6565.86,3295 ccw(c6565.86,3319.14) v1@6582.93,3302.07 ; 6565.86,3295 cw(c6565.86,3270.86) v1@6582.93,3287.93 ; 6565.86,4690 ccw(c6565.86,4714.14) v1@6582.93,4697.07 ; 6565.86,4690 cw(c6565.86,4665.86) v1@6582.93,4682.93 ; 6565.86,4690 ccw(c6565.86,4714.14) v1@6582.93,4697.07 ; 6565.86,4690 cw(c6565.86,4665.86) v1@6582.93,4682.93 ; 6565.86,4690 ccw(c6565.86,4714.14) v1@6582.93,4697.07 ; 6565.86,4690 cw(c6565.86,4665.86) v1@6582.93,4682.93 ; 6570.86,3995 ccw(c6570.86,4019.14) v1@6587.93,4002.07 ; 6570.86,3995 cw(c6570.86,3970.86) v1@6587.93,3987.93 ; 6570.86,3995 ccw(c6570.86,4019.14) v1@6587.93,4002.07 ; 6570.86,3995 cw(c6570.86,3970.86) v1@6587.93,3987.93 ; 6570.86,3995 ccw(c6570.86,4019.14) v1@6587.93,4002.07 ; 6570.86,3995 cw(c6570.86,3970.86) v1@6587.93,3987.93 ; 2863.79,3995 cw(c2863.79,3953.79) 2892.93,3982.93 ccw(c2863.79,3953.79) 2863.79,3995 ; v1@2907.07,3982.93 cw(c2936.21,3953.79) 2936.21,3995 ccw(c2936.21,3953.79) v1@2907.07,3982.93 ; 3821.68,5400 cw(c3821.68,5365.78) 3845.88,5389.98 ccw(c3821.68,5365.78) 3821.68,5400 ; 3835.94,5400 ccw(c3835.94,5414.06) 3845.88,5404.12 cw(c3835.94,5414.06) 3835.94,5400 ; v1@3860.02,5389.98 cw(c3884.22,5365.78) 3884.22,5400 ccw(c3884.22,5365.78) v1@3860.02,5389.98 ; v1@3860.02,5404.12 ccw(c3869.97,5414.06) 3869.97,5400 cw(c3869.97,5414.06) v1@3860.02,5404.12 ; 6558.79,5400 cw(c6558.79,5358.79) 6587.93,5387.93 ccw(c6558.79,5358.79) 6558.79,5400